# Altium PCB Controller(4).PcbDoc
Units mm, origin at the board's own origin, x right, y up, seen from the top; angles counter-clockwise.
Board outline 196.32 x 64.94 mm, 2 copper layers (Top Layer, Bottom Layer); 26 components, 39 nets, 135 pads, 3 vias.
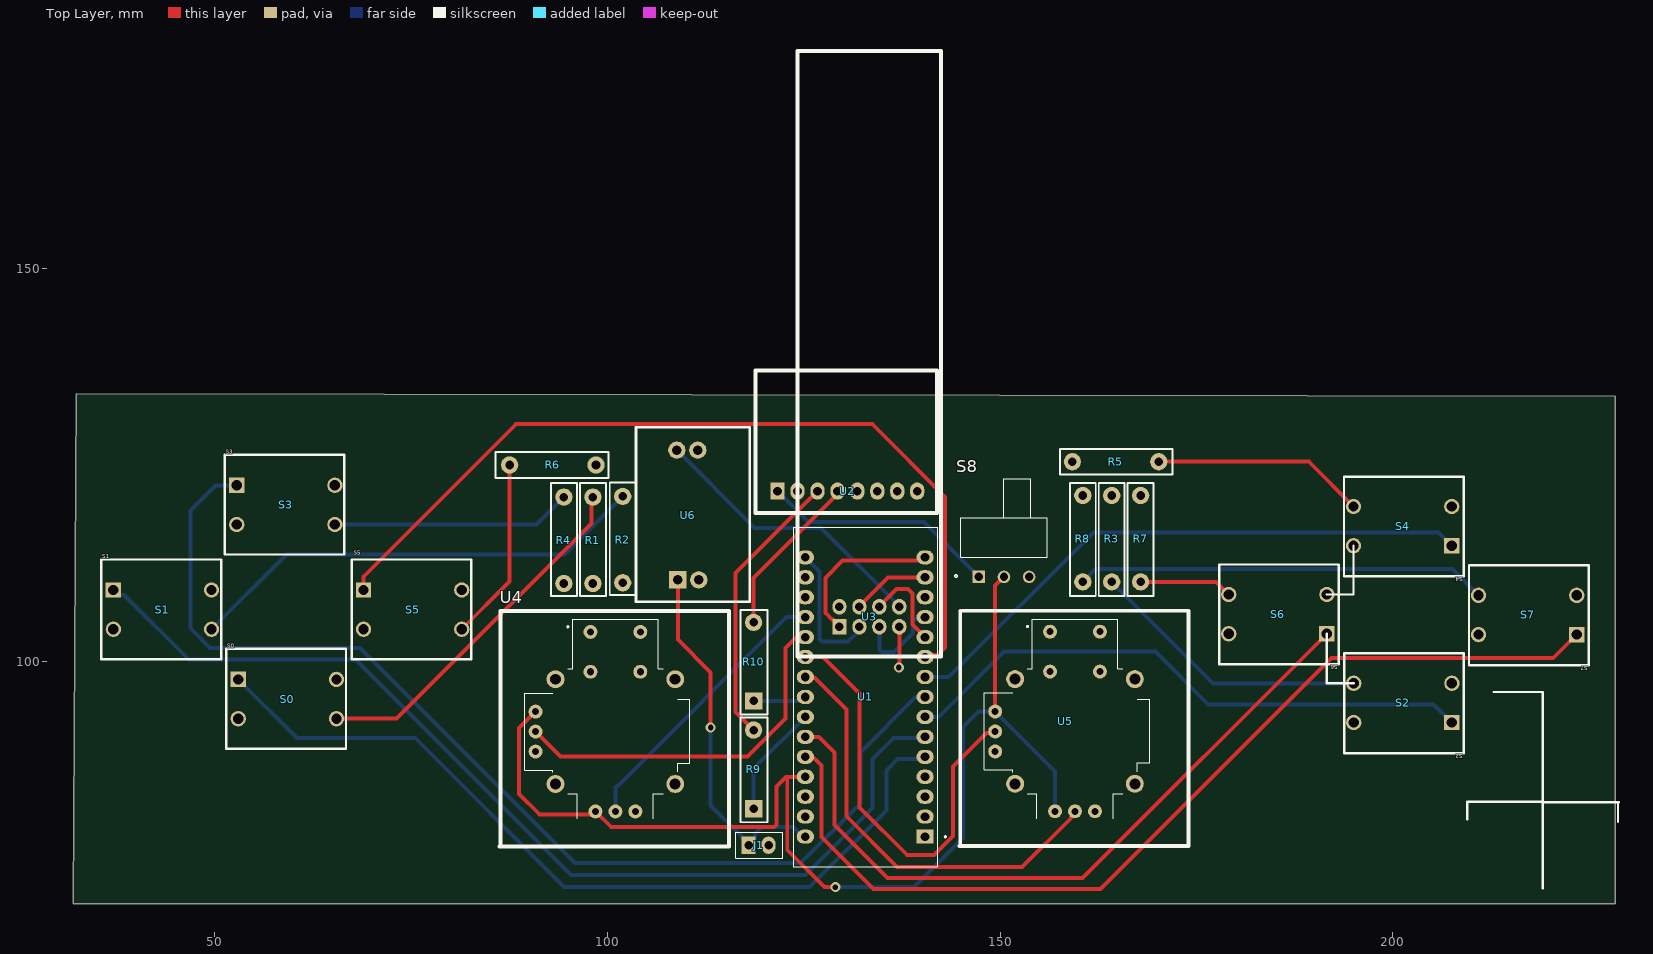
[diagram p0: Top Layer view]
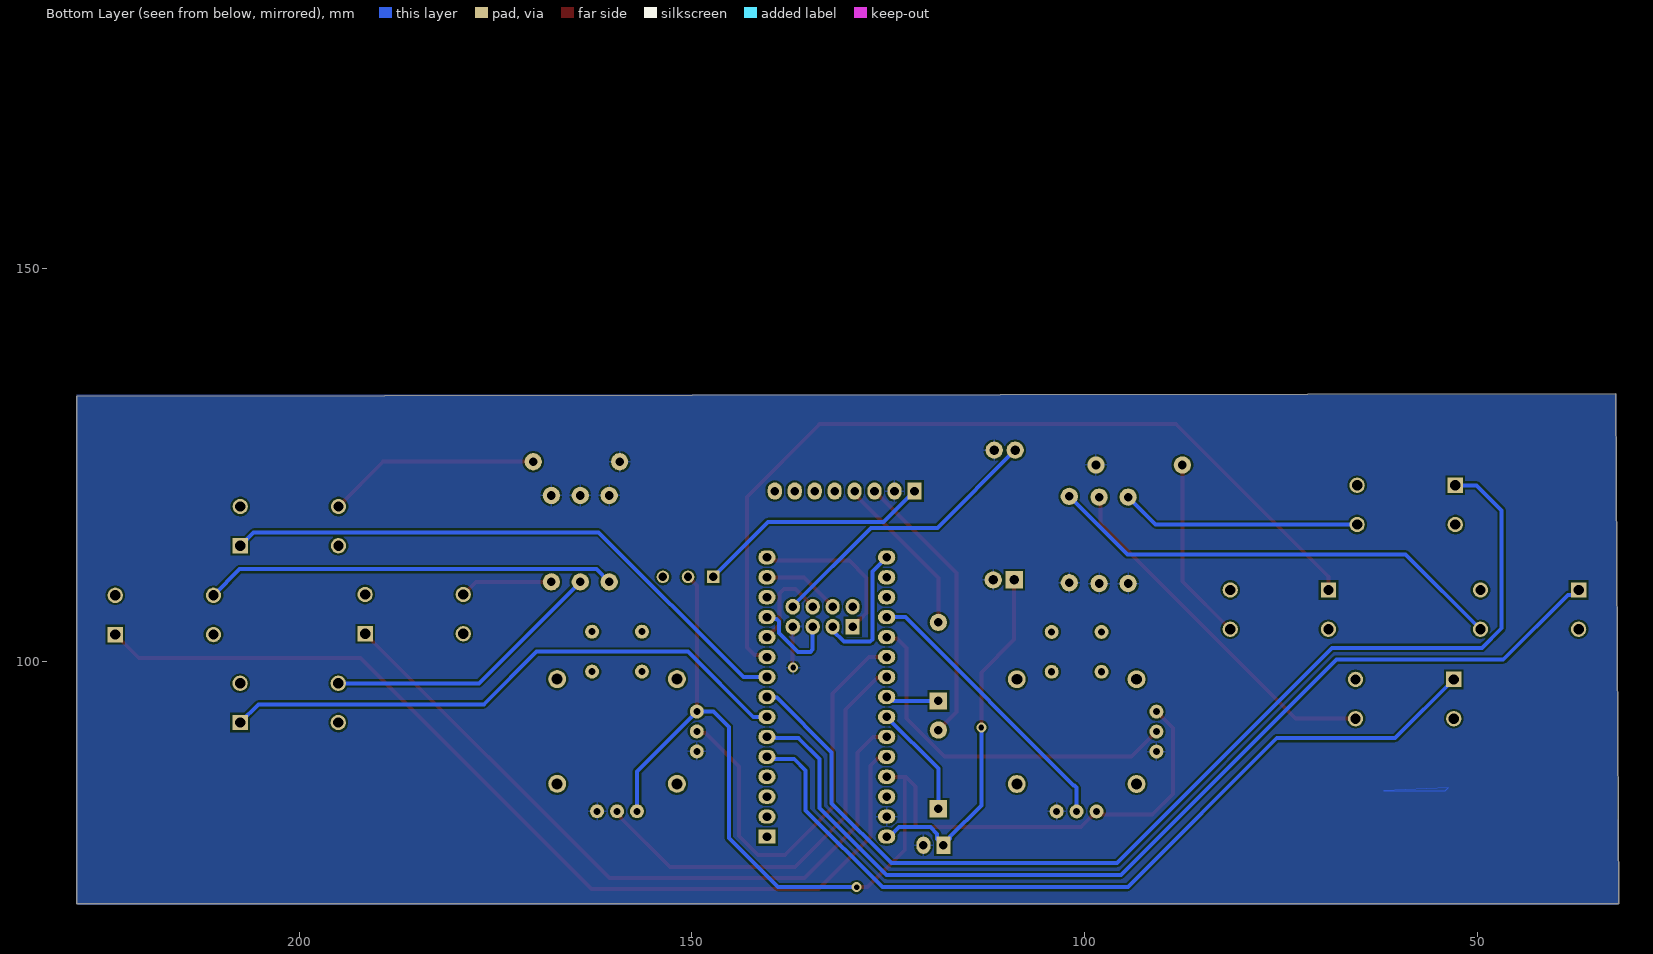
[diagram p1: Bottom Layer view, seen from below]

## Layer stack, top to bottom
Top Solder: solder mask 0.0102, Solder Resist, Dk 3.5
Top Layer: signal copper 0.0356
Dielectric 1: dielectric 0.32, FR-4, Dk 4.8
Bottom Layer: signal copper 0.0356
Bottom Solder: solder mask 0.0102, Solder Resist, Dk 3.5

## Board outline
31.984,69.1 32.39,134.039 228.3,133.764 228.3,69.1

## Design rules (kind name [scope] priority, off if disabled: settings)
Clearance [All] p1: gap=0.254 ignorepadtopadclearanceinfootprint=TRUE except(0: Arc-Hole Track-Hole SMDPad-Hole THPad-Hole Via-Hole Fill-Hole Poly-Hole Region-Hole Text-Hole)
ComponentClearance [All] p1: gap=0 collisioncheckmode=3 verticalgap=0 showdistances=FALSE
Height [All] p1: minheight=0 maxheight=127 prefheight=12.7
PolygonConnect [All] p1: connectstyle=Relief reliefconductorwidth=0.254 reliefentries=4 polygonreliefangle="90 Angle" airgapwidth=0.254
RoutingVias [All] p1: holewidth=0.711 width=1.27 viastyle="Through Hole" minholewidth=0.711 minwidth=1.27 maxholewidth=0.711 maxwidth=1.27
SilkToSolderMaskClearance [IsPad] p1: minsilkscreentomaskgap=0 clearancetoexposedcopper=TRUE
SolderMaskExpansion [All] p1: expansion=0.102 istentingtop=FALSE
Width [All] p1: maxlimit=1.016 minlimit=0.508 preferedwidth=0.508
27 further rules are at their usual default settings.

## Components (designator, comment, footprint, x,y, rotation, side; value= is the part's Value field where it differs from the comment)
J1 "2pin male header" 2PIN 117.983,76.581 r0 top
R1 "2k res" "1K RES" 98.153,120.892 r270 top
R2 "2k res" "1K RES" 101.953,120.992 r270 top
R3 "2k res" "1K RES" 164.211,110.109 r90 top
R4 "2k res" "1K RES" 94.453,120.892 r270 top
R5 "2k res" "1K RES" 170.2,125.4 r180 top
R6 "2k res" "1K RES" 87.553,124.992 r0 top
R7 "2k res" "1K RES" 167.894,110.109 r90 top
R8 "2k res" "1K RES" 160.528,110.109 r90 top
R9 "10k ohm resistor" "10K RES" 118.618,86.233 r90 top
R10 "10k ohm resistor" "10K RES" 118.618,99.949 r90 top
S0 "PUSHBUTTON" PUSHBUTTON 50.841,88.118 r0 top
S1 "PUSHBUTTON" PUSHBUTTON 34.941,99.5 r0 top
S2 "PUSHBUTTON" PUSHBUTTON 209.675,101.762 r180 top
S3 "PUSHBUTTON" PUSHBUTTON 50.641,112.828 r0 top
S4 "PUSHBUTTON" PUSHBUTTON 209.659,124.272 r180 top
S5 "PUSHBUTTON" PUSHBUTTON 66.8,99.5 r0 top
S6 "PUSHBUTTON" PUSHBUTTON 193.759,113.072 r180 top
S7 "PUSHBUTTON" PUSHBUTTON 225.575,112.962 r180 top
S8 "Slide Switch" SLIDE_SWITCH 147.295,110.744 r0 top
U1 "nano" NANO 144.762,115.009 r180 top
U2 "mpu_6050" MPU_6050 121.666,121.666 r90 top
U3 "nrf24l01 module" NRF24L01_1 149.987,99.06 r90 top
U4 "Joystick thumb module" JOYSTICK_9050 101.144,91.421 r0 top
U5 "Joystick thumb module" JOYSTICK_9050 159.66,91.441 r0 top
U6 "3.3 linear voltage regulator moudle" AMS1117_MODULE 108.966,110.363 r90 top

## Footprints (in the part's own frame and the unit in brackets; to place one, negate y for a bottom-side part, rotate by r counter-clockwise, add the part's x,y. Pads: shape width x height; smd on the part's side, far side on the other; paste and mask are expansions set on the pad)
"1K RES" [mm]
  round 2.2 hole 1.1: 1(0,0) 2(11,0)
  silkscreen extent -1.78,-1.65 12.57,1.65, body extent -0.28,-1.3 11.27,1.3, height 2.6
2PIN [mm]
  rect 1.8x2.2 hole 1.1: 1(0,0)
  oval 1.8x2.2 hole 1.1: 2(2.54,0)
  silkscreen extent -1.65,-1.65 4.32,1.65, body extent -1.14,-1.17 3.64,1.17, height 5.35
"10K RES" [mm] "10k ohm resistor"
  rect 2.2x2.2 hole 1.1 paste-1000 mask+0: 1(-5,0)
  round 2.2 hole 1.1 paste-1000 mask+0: 2(5,0)
  silkscreen extent -6.73,-1.78 6.6,1.65, body extent -5.72,-1.35 5.72,1.35, height 0.25
AMS1117_MODULE [mm]
  rect 2.2x2.2 hole 1.2: 1(0,0)
  round 2.2 hole 1.2: 2(0,-2.667) 3(16.51,-2.54) 4(16.51,0.127)
  silkscreen extent -2.79,-9.14 19.43,5.33, body extent -1.65,-8.03 18.35,3.97, height 2.85
JOYSTICK_9050 [mil] "Joystick encoder"
  round 70 hole 35.43: B1A(-130,485) B1B(120,485) B2A(-130,285) B2B(120,285)
  round 70 hole 35: H1(-105,-415) H2(-5,-415) H3(95,-415) V1(-405,85) V2(-405,-15) V3(-405,-115)
  round 90 hole 55: S1(-305,247.5) S2(-305,-277.5) S3(295,-277.5) S4(295,247.5)
  silkscreen extent -585,-590 565,590, body extent -525,-540 525,547, height 1191
MPU_6050 [mm]
  rect 2.2x1.8 hole 1.1: 1(0,0)
  oval 2.2x1.8 hole 1.1: 2(0,-2.54) 3(0,-5.08) 4(0,-7.62) 5(0,-10.16) 6(0,-12.7) 7(0,-15.24) 8(0,-17.78)
  silkscreen extent -2.79,-20.32 15.37,2.79, body extent -1.27,-19.18 13.97,1.14, height 7.77
NANO [mm]
  rect 2.2x1.8 hole 1.1: 1(4.318,37.338)
  oval 2.2x1.8 hole 1.1: 2(4.318,34.798) 3(4.318,32.258) 4(4.318,29.718) 5(4.318,27.178) 6(4.318,24.638) 7(4.318,22.098) 8(4.318,19.558) 9(4.318,17.018) 10(4.318,14.478) 11(4.318,11.938) 12(4.318,9.398) 13(4.318,6.858) 14(4.318,4.318) 15(4.318,1.778) 16(19.558,1.778) 17(19.558,4.318) 18(19.558,6.858) 19(19.558,9.398) 20(19.558,11.938) 21(19.558,14.478) 22(19.558,17.018) 23(19.558,19.558) 24(19.558,22.098) 25(19.558,24.638) 26(19.558,27.178) 27(19.558,29.718) 28(19.558,32.258) 29(19.558,34.798) 30(19.558,37.338)
  silkscreen extent 1.64,-2.03 21.08,41.15, body extent 2.94,-2.04 20.94,42.96, height 12.6
NRF24L01_1 [mm]
  oval 2x1.8 hole 1.1: 1(5.334,12.827) 2(7.874,12.827) 3(5.334,15.367) 4(7.874,15.367) 5(5.334,17.907) 6(7.874,17.907) 8(7.874,20.447)
  rect 2x1.8 hole 1.1: 7(5.334,20.447)
  silkscreen extent 1.52,7.49 78.61,25.78, body extent 3.17,9.01 77.14,24.26, height 3.24
PUSHBUTTON [mm]
  rect 1.95x1.95 hole 1.3: 1(2.159,9.572)
  round 1.95 hole 1.3: 2(14.659,9.572) 3(2.159,4.572) 4(14.659,4.572)
  silkscreen extent 0.64,0.76 15.88,13.46, body extent 1.89,0.62 14.88,13.61, height 10.21
SLIDE_SWITCH [mm]
  rect 1.605x1.605 hole 1.07: 1(0,0)
  round 1.605 hole 1.07: 2(3.2,0) 3(6.4,0)
  silkscreen extent -3.06,-0.06 8.7,12.5, body extent -2.32,-0.13 8.67,12.37, height 5.61

## Part data
J1: library part 2pin
R1 R2 R3 R4 R5 R6 R7 R8: library part "1k res"
R9 R10: library part "10k res"
S8: library part slide_switch
U3: library part nrf24l01
U4 U5: library part Joystick_9050
U6: library part am1117_module

## Via types
v1: diameter 1.27, hole 0.711, Top Layer to Bottom Layer, 3 vias

## Nets (pads, with @x,y where several pads share a name; then routed paths per layer and width w, separated by ;. In a path a pad name is that pad's centre, name@x,y a point inside that pad or via, vN(x,y) a via of type N, cw(c..) or ccw(c..) an arc to the next point about the centre after c; other vN are vias at no path point)
3.3V: U3.2 U6.4 | length 36.6
  Bottom Layer w0.508: U6.4 118.727,116.985 127.209,116.985 137.16,107.034 U3.2
3V3: U1.17
+5V: S8.2 U1.27 U4.H1 U4.V1 U5.H1 U5.V1 | length 144
  Top Layer w0.508: U4.V1 88.773,91.496 88.773,83.102 91.357,80.518 97.771,80.518 98.133,80.88 U4.H1 100.49,78.867 121.241,78.867 121.539,79.165 121.539,84.074 122.756,85.291 ; U1.27 122.9,85.291 122.9,75.982 127.635,71.247 v1(129.032,71.247) ; U5.V1 149.373,109.622 S8.2
  Bottom Layer w0.508: U1.27@125.189,85.276 U1.27 ; v1(129.032,71.247) 139.065,71.247 145.288,77.47 145.288,91.632 147.255,93.6 U5.V1 156.993,85.98 U5.H1
A0: U1.19 U4.H2 | length 36.2
  Bottom Layer w0.508: U4.H2 101.017,83.903 101.315,84.201 101.414,84.201 122.824,105.611 U1.19
A1: U1.20 U4.V2 | length 47.2
  Top Layer w0.508: U4.V2 94.05,87.847 117.819,87.847 122.682,92.71 122.682,101.682 123.87,102.87 125.003,102.87 U1.20
A2: U1.21 U5.V2 | length 54.8
  Top Layer w0.508: U1.21 127.434,100.531 132.08,95.885 132.08,81.407 138.176,75.311 141.605,75.311 144.018,77.724 144.018,86.614 148.259,90.855 149.168,90.855 U5.V2
A3: U1.22 U5.H2 | length 55.5
  Top Layer w0.508: U1.22 125.328,97.867 126.415,97.867 130.429,93.853 130.429,80.264 136.893,73.8 152.8,73.8 159.057,80.057 159.057,80.08 159.533,80.556 U5.H2
A4: R10.1 U1.23 | length 6.8
  Bottom Layer w0.508: R10.1 124.352,94.949 124.854,95.451 U1.23
A5: R9.1 U1.24 | length 14.4
  Bottom Layer w0.508: R9.1 118.618,86.325 U1.24
A6: S6.1 U1.25 | length 92.2
  Top Layer w0.508: U1.25 126.926,90.371 128.905,88.392 128.905,79.121 135.636,72.39 160.49,72.39 S6.1
A7: S7.1 U1.26 | length 124
  Top Layer w0.508: U1.26 125.391,87.644 126.351,87.644 127.254,86.741 127.254,77.597 133.858,70.993 162.793,70.993 192.2,100.4 220.426,100.4 S7.1
D0/RX: U1.2
D1/TX: U1.1
D2: S0.1 U1.5 | length 108.3
  Top Layer w0.508: U1.5@140.391,87.831 U1.5
  Bottom Layer w0.508: S0.1 60.49,90.2 75.535,90.2 94.488,71.247 125.73,71.247 135.509,81.026 135.509,86.106 136.987,87.584 140.197,87.584 U1.5
D3: S1.1 U1.6 | length 129.3
  Bottom Layer w0.508: S1.1 37.742,108.43 38.47,108.43 46.7,100.2 67.948,100.2 95.377,72.771 125.222,72.771 133.754,81.303 133.754,87.526 136.457,90.229 140.302,90.229 U1.6
D4: S2.1 U1.7 | length 74.3
  Bottom Layer w0.508: U1.7 142.187,92.911 150.495,101.219 169.781,101.219 176.5,94.5 205.206,94.5 S2.1
D5: S3.1 U1.8 | length 140.7
  Bottom Layer w0.508: S3.1 50.1,122.4 46.9,119.2 46.9,104.2 49.4,101.7 68.48,101.7 95.885,74.295 124.587,74.295 132.207,81.915 132.207,88.392 139.188,95.373 140.366,95.373 U1.8
D6: S4.1 U1.9 | length 75.4
  Bottom Layer w0.508: U1.9 143.457,97.991 161.866,116.4 205.8,116.4 S4.1
D7: S5.1 U1.10 | length 109.8
  Top Layer w0.508: S5.1 68.959,110.759 88.375,130.175 133.731,130.175 143.002,120.904 143.002,101.771 142.01,100.778 U1.10@140.444,100.778
  Bottom Layer w0.508: U1.10 140.444,100.475 U1.10@140.462,100.457
D8: U1.11 U3.4 | length 12
  Top Layer w0.508: U3.4 134.62,107.034 136.806,109.22 138.259,109.22 138.836,108.643 138.836,104.679 U1.11
  Bottom Layer w0.508: U3.4 U3.4@134.844,107.158
D9: U1.12 U3.3 | length 11.9
  Top Layer w0.508: U1.12@140.444,105.261 U1.12
  Bottom Layer w0.508: U3.3 134.62,101.498 134.918,101.2 136.5,101.2 138.9,103.6 138.9,105.066 139.198,105.364 140.197,105.364 U1.12
D10: U1.13
D11/MOSI: U1.14 U3.6 | length 10
  Top Layer w0.508: U3.6 132.08,107.034 135.737,110.691 U1.14
D12/MISO: U1.15 U3.7 | length 20.8
  Top Layer w0.508: U3.7 129.54,104.494 128.694,105.34 128.594,105.34 127.762,106.172 127.762,110.617 129.945,112.8 139.463,112.8 139.894,113.231 U1.15
D13/SCK: U1.16 U3.5 | length 17.5
  Bottom Layer w0.508: U1.16 127,111.435 127,102.787 127.298,102.489 130.653,102.489 132.08,103.916 U3.5
GND: J1.2 R1.2 R2.2 R3.2 R4.2 R5.2 R6.2 R7.2 R8.2 U1.29 U2.2 U3.1 U4.H3 U4.V3 U5.H3 U5.V3 U6.2 U6.3 | length 5.3
  Top Layer w0.508: v1(137.1,99.2) 137.16,99.2 U3.1
NetR1_1: R1.1 S0.4 | length 46.2
  Top Layer w0.508: S0.4 73.132,92.69 97.965,117.523 97.965,120.704 R1.1
NetR2_1: R2.1 S1.4 | length 59.5
  Bottom Layer w0.508: S1.4 59.128,113.6 94.561,113.6 R2.1 R2.1@101.953,120.833
NetR3_1: R3.1 S2.4 | length 36.6
  Top Layer w0.508: R3.1 R3.1@164.535,110.433
  Bottom Layer w0.508: R3.1 177.13,97.19 S2.4
NetR4_1: R4.1 S3.4 | length 30.6
  Bottom Layer w0.508: S3.4 90.961,117.4 R4.1
NetR5_1: R5.1 S4.4 | length 27.2
  Top Layer w0.508: R5.1 189.3,125.4 S4.4
NetR6_1: R6.1 S5.4 | length 23.4
  Top Layer w0.508: S5.4 87.553,110.166 R6.1
NetR7_1: R7.1 S6.4 | length 11.9
  Top Layer w0.508: R7.1 177.491,110.109 S6.4
NetR8_1: R8.1 S7.4 | length 52.4
  Bottom Layer w0.508: R8.1 162.136,111.717 207.589,111.717 S7.4
NetR9_2: R9.2 U2.3 | length 35.7
  Top Layer w0.508: R9.2 116.332,93.519 116.332,111.252 U2.3
NetR10_2: R10.2 U2.4 | length 21.7
  Top Layer w0.508: R10.2@118.618,104.412 118.618,110.618 129.286,121.286 U2.4
NetS8_1: S8.1 U2.1 | length 30.2
  Bottom Layer w0.508: U2.1 125.585,117.747 140.292,117.747 S8.1
RESET: U1.3
VIN: J1.1 U1.30 U6.1 | length 46.6
  Top Layer w0.508: U6.1 108.966,102.741 113.157,98.55 v1(113.157,91.567)
  Bottom Layer w0.508: v1(113.157,91.567) 113.157,81.661 117.137,77.681 117.137,77.427 J1.1 118.796,77.394 118.796,78.029 119.634,78.867 123.658,78.867 124.854,77.671 U1.30
pads on no net: S0.2 S0.3 S1.2 S1.3 S2.2 S2.3 S3.2 S3.3 S4.2 S4.3 S5.2 S5.3 S6.2 S6.3 S7.2 S7.3 S8.3 U1.4 U1.18 U1.28 U2.5 U2.6 U2.7 U2.8 U3.8 U4.B1A U4.B1B U4.B2A U4.B2B U4.S1 U4.S2 U4.S3 U4.S4 U5.B1A U5.B1B U5.B2A U5.B2B U5.S1 U5.S2 U5.S3 U5.S4

## Polygon pours and split planes (outlines as drawn)
GND on Bottom Layer "NONET_L-01_P-001" (solid, pour order 0): 32.3,134.1 32.5,133.9 228.3,133.9 228.3,69.2 228.1,69 32.1,69
no net on Bottom Layer "NONET_L-01_P-001" (solid, pour order 1): 61.9,83.5 54.1,83.5 53.7,83.9

## Silkscreen, mask and mechanical layers (free items; w line width, h text height)
Top Overlay:
  lines w0.3: 191.6,103.5 191.6,97.2 195.016,97.2 ; 191.6,108.5 195,108.5 195,114.7 ; 209.459,79.889 209.459,82.113 ; 209.493,82.089 219.109,82.089 ; 212.859,96.089 219.109,96.089 219.109,93.589 219.109,71.089 ; 219.159,82.039 228.775,82.039 ; 228.675,79.579 228.675,81.803